# Altium PCB sombreakout.PcbDoc (part 1 of 3) (continued)
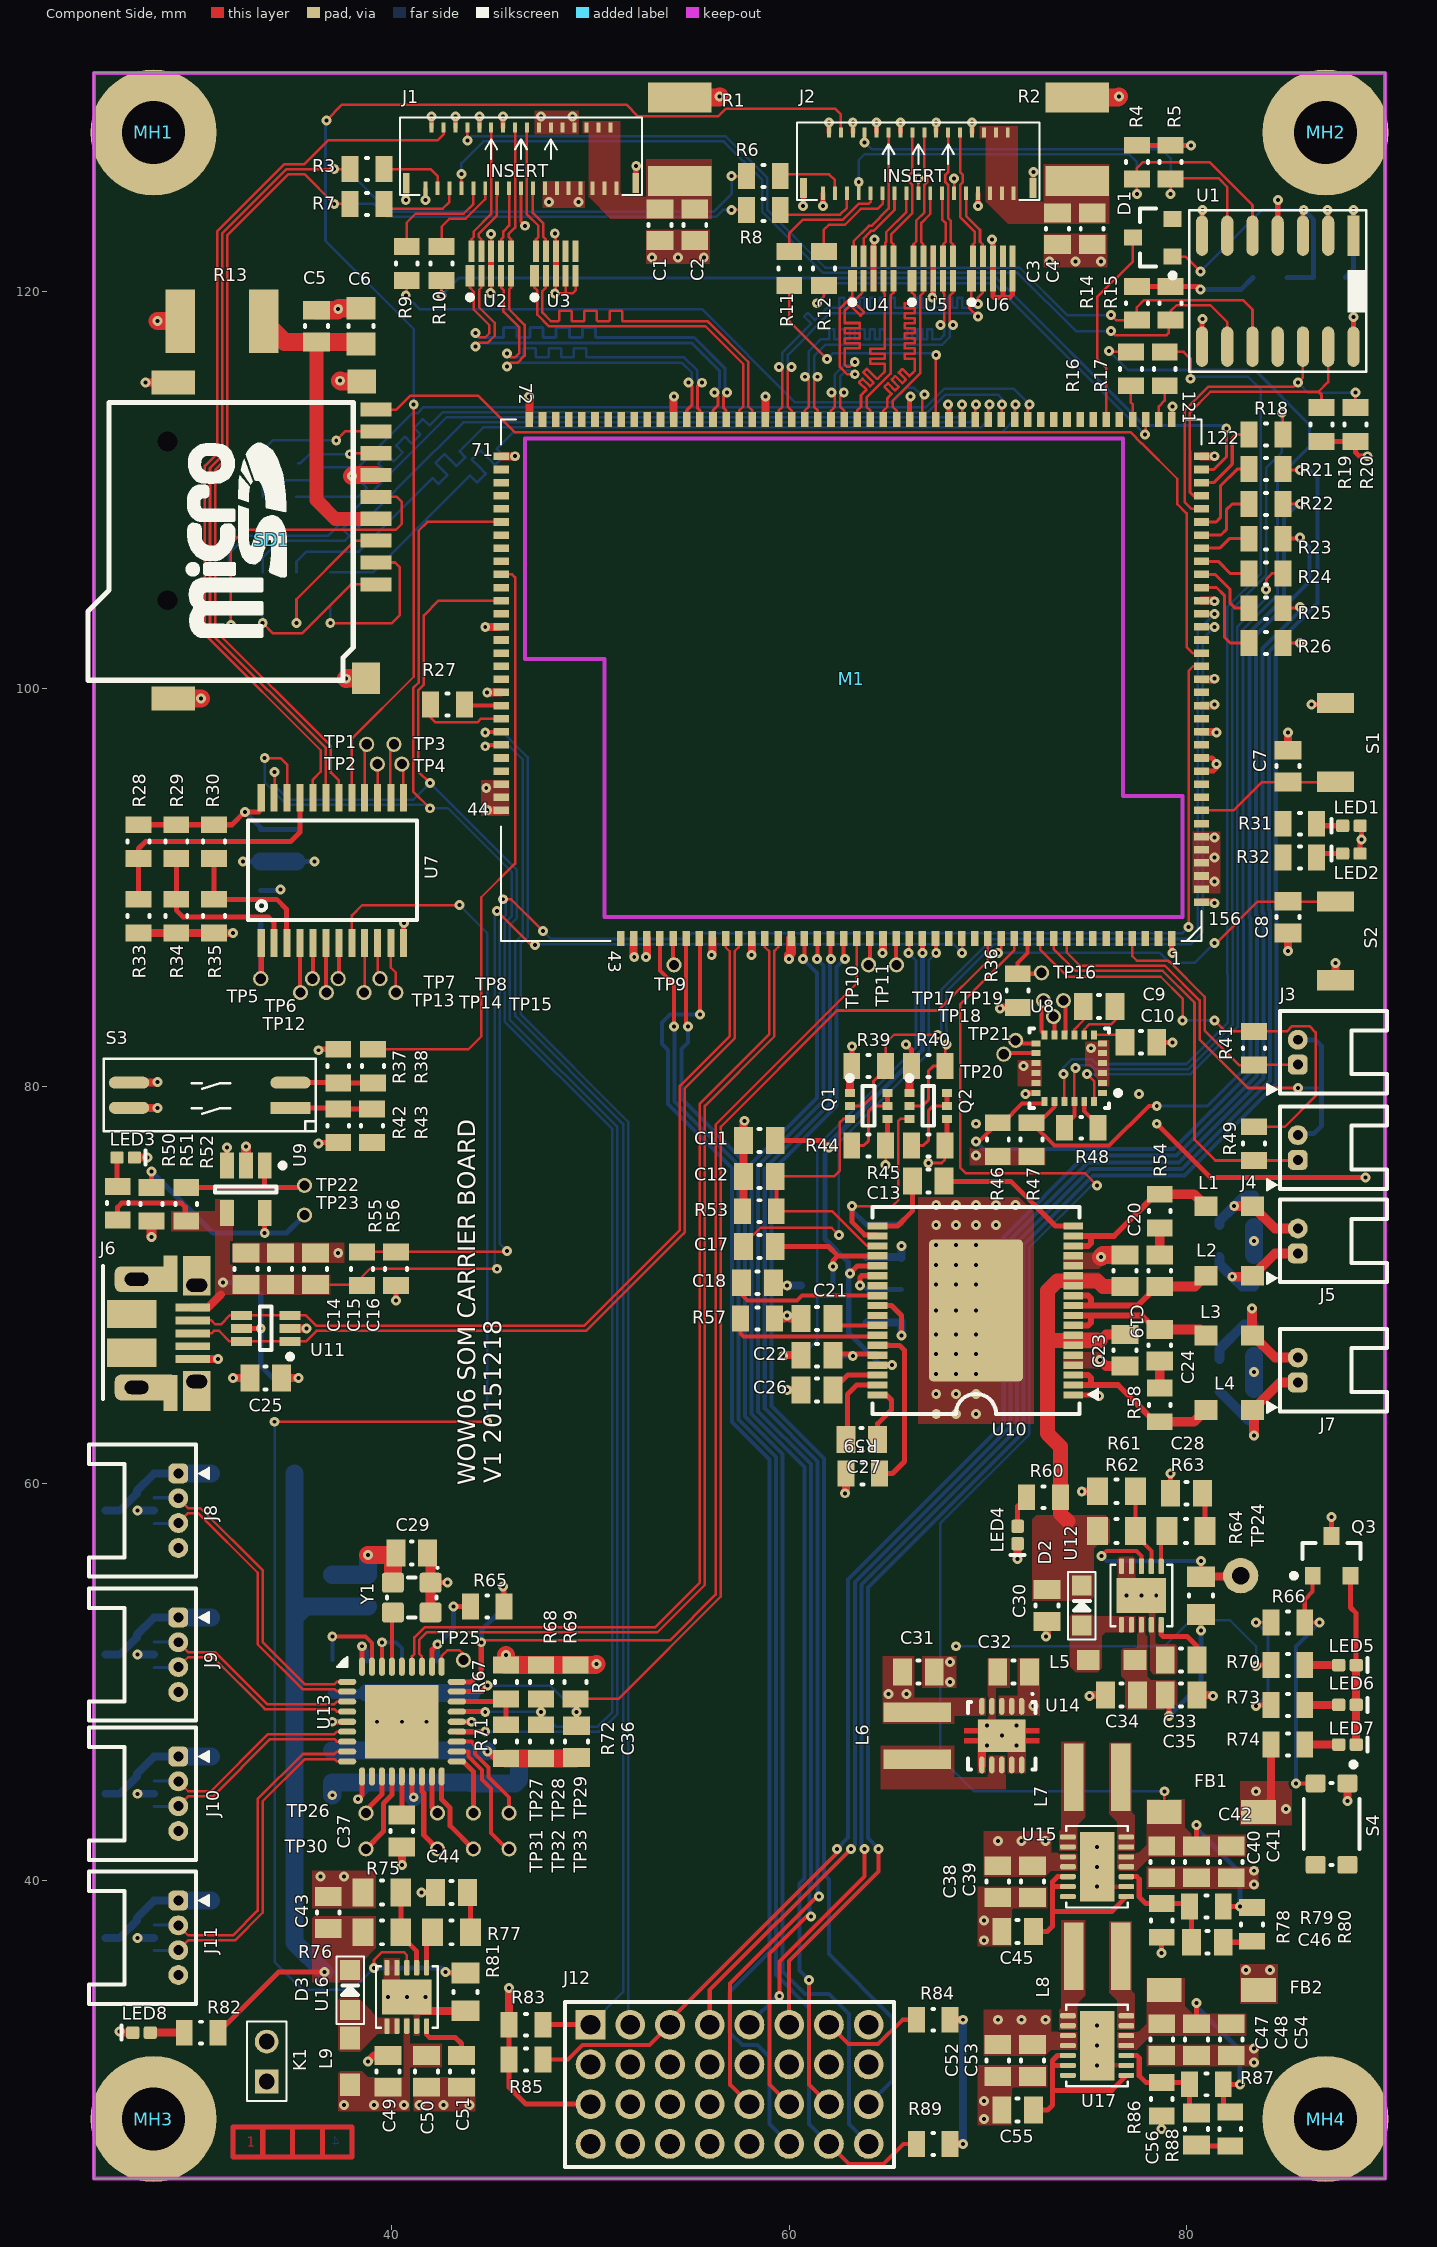
[diagram p0: Component Side view]
## Components (designator, comment, footprint, x,y, rotation, side; value= is the part's Value field where it differs from the comment)
C1 "CAP 10uF 6.3V 0805(2012)" CAPC0805(2012)100_L 53.5,123.35 r90 top (schematic designator C64)
C2 "CAP 10uF 6.3V 0805(2012)" CAPC0805(2012)100_L 55.25,123.35 r90 top (schematic designator C63)
C3 "CAP 10uF 6.3V 0805(2012)" CAPC0805(2012)100_L 73.5,123.15 r90 top (schematic designator C60)
C4 "CAP 10uF 6.3V 0805(2012)" CAPC0805(2012)100_L 75.25,123.15 r90 top (schematic designator C59)
C5 "CAP 1uF 6.3V 0805(2012)" CAPC0805(2012)100_L 36.2,118.25 r90 top (schematic designator C2)
C6 "CAP 100nF 6.3V 0805(2012)" CAPC0805(2012)100_N 38.45,118.25 r90 top (schematic designator C1)
C7 "CAP 10uF 6.3V 0805(2012)" CAPC0805(2012)100_L 85.1,96.1 r270 top (schematic designator C27)
C8 "CAP 10uF 6.3V 0805(2012)" CAPC0805(2012)100_L 85.1,88.5 r90 top (schematic designator C26)
C9 "" CAPC0805(2012)100_L 75.6,84 r0 top (schematic designator C53)
C10 "CAP 4.7uF 6.3V 0805(2012)" CAPC0805(2012)100_L 77.7,82.2 r180 top (schematic designator C54)
C11 "" CAPC0805(2012)100_L 58.5,77.25 r0 top (schematic designator C99)
C12 "CAP 22uF 16V 0805(2012)" CAPC0805(2012)145_L 58.5,75.45 r0 top (schematic designator C115)
C13 "CAP 100nF 25V 0805(2012)" CAPC0805(2012)100_L 67,75.225 r180 top (schematic designator C105)
C14 "CAP 100nF 6.3V 0805(2012)" CAPC0805(2012)100_L 32.65,70.8 r90 top (schematic designator C79)
C15 "CAP 10uF 6.3V 0805(2012)" CAPC0805(2012)100_L 34.4,70.8 r270 top (schematic designator C5)
C16 "CAP 100nF 6.3V 0805(2012)" CAPC0805(2012)100_L 36.15,70.8 r90 top (schematic designator C6)
C17 "" CAPC0805(2012)100_L 58.5,71.925 r180 top (schematic designator C94)
C18 "CAP 100nF 25V 0805(2012)" CAPC0805(2012)100_L 58.4,70.1 r0 top (schematic designator C106)
C19 "CAP 100nF 25V 0805(2012)" CAPC0805(2012)100_L 76.9,70.7 r270 top (schematic designator C109)
C20 "" CAPC0805(2012)100_L 78.65,70.7 r90 top (schematic designator C103)
C21 "CAP 22uF 16V 0805(2012)" CAPC0805(2012)145_L 61.4,68.3 r0 top (schematic designator C114)
C22 "" CAPC0805(2012)100_L 61.4,66.45 r0 top (schematic designator C101)
C23 "CAP 100nF 25V 0805(2012)" CAPC0805(2012)100_L 76.9,66.7 r90 top (schematic designator C97)
C24 "" CAPC0805(2012)100_L 78.65,66.95 r270 top (schematic designator C111)
C25 "CAP 10uF 6.3V 0805(2012)" CAPC0805(2012)100_L 33.65,65.3 r180 top (schematic designator C80)
C26 "CAP 22uF 16V 0805(2012)" CAPC0805(2012)145_L 61.4,64.7 r0 top (schematic designator C113)
C27 "CAP 100nF 25V 0805(2012)" CAPC0805(2012)100_L 63.65,62.2 r180 top (schematic designator C108)
C28 "" CAPC0805(2012)100_L 80,59.5 r0 top (schematic designator C35)
C29 "CAP 100nF 6.3V 0805(2012)" CAPC0805(2012)100_L 41,56.5 r180 top (schematic designator C90)
C30 "CAP 22uF 16V 0805(2012)" CAPC0805(2012)145_L 72.975,53.85 r90 top (schematic designator C31)
C31 "CAP 22uF 4V 0805(2012)" CAPC0805(2012)100_L 66.5,50.5 r180 top (schematic designator C12)
C32 "CAP 22uF 4V 0805(2012)" CAPC0805(2012)100_L 71.3,50.5 r0 top (schematic designator C13)
C33 "CAP 100nF 6.3V 0805(2012)" CAPC0805(2012)100_L 79.725,51.1 r0 top (schematic designator C34)
C34 "" CAPC0805(2012)100_L 76.725,49.35 r180 top (schematic designator C30)
C35 "CAP 10uF 6.3V 0805(2012)" CAPC0805(2012)100_L 79.725,49.35 r180 top (schematic designator C29)
C36 "CAP 100nF 6.3V 0805(2012)" CAPC0805(2012)100_L 49.3,47 r90 top (schematic designator C91)
C37 "CAP 100nF 6.3V 0805(2012)" CAPC0805(2012)100_L 40.5,42.5 r90 top (schematic designator C92)
C38 "CAP 10uF 6.3V 0805(2012)" CAPC0805(2012)100_L 70.5,39.95 r90 top (schematic designator C3)
C39 "CAP 10uF 6.3V 0805(2012)" CAPC0805(2012)100_L 72.25,39.95 r90 top (schematic designator C4)
C40 "CAP 100nF 25V 0805(2012)" CAPC0805(2012)100_L 78.75,40.95 r90 top (schematic designator C9)
C41 "CAP 22uF 16V 0805(2012)" CAPC0805(2012)145_L 80.5,40.95 r90 top (schematic designator C8)
C42 "CAP 22uF 16V 0805(2012)" CAPC0805(2012)145_L 82.25,40.95 r90 top (schematic designator C7)
C43 "CAP 22uF 16V 0805(2012)" CAPC0805(2012)145_L 36.8,38.4 r270 top (schematic designator C23)
C44 "" CAPC0805(2012)100_L 43,39.4 r0 top (schematic designator C25)
C45 "CAP 100nF 6.3V 0805(2012)" CAPC0805(2012)100_L 71.5,37.45 r180 top (schematic designator C11)
C46 "CAP 4.7pF 10V 0805(2012)" CAPC0805(2012)100_L 81.05,36.9 r0 top (schematic designator C10)
C47 "CAP 100nF 25V 0805(2012)" CAPC0805(2012)100_L 78.75,32 r90 top (schematic designator C18)
C48 "CAP 22uF 16V 0805(2012)" CAPC0805(2012)145_L 80.5,32 r90 top (schematic designator C17)
C49 "" CAPC0805(2012)100_L 39.8,30.4 r90 top (schematic designator C22)
C50 "CAP 10uF 6.3V 0805(2012)" CAPC0805(2012)100_L 41.75,30.4 r90 top (schematic designator C21)
C51 "CAP 100nF 6.3V 0805(2012)" CAPC0805(2012)100_L 43.5,30.4 r90 top (schematic designator C24)
C52 "CAP 10uF 6.3V 0805(2012)" CAPC0805(2012)100_L 70.5,30.95 r90 top (schematic designator C14)
C53 "CAP 10uF 6.3V 0805(2012)" CAPC0805(2012)100_L 72.25,30.95 r90 top (schematic designator C15)
C54 "CAP 22uF 16V 0805(2012)" CAPC0805(2012)145_L 82.25,32 r90 top (schematic designator C16)
C55 "CAP 100nF 6.3V 0805(2012)" CAPC0805(2012)100_L 71.5,28.45 r180 top (schematic designator C20)
C56 "CAP 4.7pF 10V 0805(2012)" CAPC0805(2012)100_L 80.5,27.5 r270 top (schematic designator C19)
C57 "CAP 100nF 6.3V 0805(2012)" CAPC0805(2012)100_L 87.2,120.7 r0 bottom (schematic designator C28)
C58 "CAP 100nF 6.3V 0805(2012)" CAPC0805(2012)100_L 35.2,92.1 r270 bottom (schematic designator C61)
C59 "CAP 1uF 6.3V 0805(2012)" CAPC0805(2012)100_L 33.4,92.1 r270 bottom (schematic designator C62)
C60 "CAP 1uF 6.3V 0805(2012)" CAPC0805(2012)100_L 76.6,78.9 r90 bottom (schematic designator C56)
C61 "CAP 100nF 6.3V 0805(2012)" CAPC0805(2012)100_L 74.85,78.9 r90 bottom (schematic designator C55)
C62 "CAP 100nF 6.3V 0805(2012)" CAPC0805(2012)100_L 73.1,78.9 r270 bottom (schematic designator C57)
C63 "CAP 1uF 6.3V 0805(2012)" CAPC0805(2012)100_L 71.35,78.9 r270 bottom (schematic designator C58)
C64 "CAP 100nF 25V 0805(2012)" CAPC0805(2012)100_L 83.4,73.7 r90 bottom (schematic designator C96)
C65 "CAP 100nF 25V 0805(2012)" CAPC0805(2012)100_L 81.65,72.2 r90 bottom (schematic designator C98)
C66 "CAP 22uF 16V 0805(2012)" CAPC0805(2012)145_L 63.9,72.2 r90 bottom (schematic designator C116)
C67 "CAP 100nF 25V 0805(2012)" CAPC0805(2012)100_L 83.4,70.7 r90 bottom (schematic designator C104)
C68 "CAP 100nF 25V 0805(2012)" CAPC0805(2012)100_L 65.65,68.95 r90 bottom (schematic designator C102)
C69 "" CAPC0805(2012)100_L 61.4,69.95 r0 bottom (schematic designator C100)
C70 "CAP 100nF 25V 0805(2012)" CAPC0805(2012)100_L 83.4,67.2 r270 bottom (schematic designator C112)
C71 "CAP 100nF 25V 0805(2012)" CAPC0805(2012)100_L 81.65,65.45 r270 bottom (schematic designator C110)
C72 "" CAPC0805(2012)100_L 61.4,66.4 r180 bottom (schematic designator C95)
C73 "CAP 100nF 25V 0805(2012)" CAPC0805(2012)100_L 83.4,63.95 r270 bottom (schematic designator C107)
C74 "CAP 100nF 6.3V 0805(2012)" CAPC0805(2012)100_L 38.8,54.6 r90 bottom (schematic designator C89)
C75 "CAP 10uF 6.3V 0805(2012)" CAPC0805(2012)100_L 37,54.6 r270 bottom (schematic designator C81)
C76 "CAP 100nF 6.3V 0805(2012)" CAPC0805(2012)100_L 42.25,50.25 r90 bottom (schematic designator C87)
C77 "CAP 100nF 6.3V 0805(2012)" CAPC0805(2012)100_L 40.5,50.25 r90 bottom (schematic designator C93)
C78 "CAP 100nF 6.3V 0805(2012)" CAPC0805(2012)100_L 38.75,50.25 r90 bottom (schematic designator C86)
C79 "CAP 100nF 6.3V 0805(2012)" CAPC0805(2012)100_L 44,45.75 r270 bottom (schematic designator C85)
C80 "CAP 100nF 6.3V 0805(2012)" CAPC0805(2012)100_L 42.25,45.75 r270 bottom (schematic designator C88)
C81 "CAP 10uF 6.3V 0805(2012)" CAPC0805(2012)100_L 40.5,45.75 r270 bottom (schematic designator C82)
C82 "CAP 100nF 6.3V 0805(2012)" CAPC0805(2012)100_L 38.75,45.75 r270 bottom (schematic designator C83)
C83 "CAP 100nF 6.3V 0805(2012)" CAPC0805(2012)100_L 37,45.75 r270 bottom (schematic designator C84)
D1 "MMBD914LT1G" ONSC-SOT-23-3-318-08_V 78.3,122.7 r180 top (schematic designator D3)
D2 "BAT20" SOD323 74.725,52.85 r270 top
D3 "BAT20" SOD323 37.9,33.5 r270 top (schematic designator D1)
FB1 "BLM41PG750SN1L" MURA-BLM41-B35-CHIP-2_V2 81.25,43.45 r0 top
FB2 "BLM41PG750SN1L" MURA-BLM41-B35-CHIP-2_V2 81.25,34.5 r0 top
FB3 "BLM41PG750SN1L" MURA-BLM41-B35-CHIP-2_V2 46.4,48.5 r270 bottom
J1 "5025983393" J_MOLEX_50259833 46.5,128.15 r0 top (schematic designator J2)
J2 "5025983393" J_MOLEX_50259833 66.5,127.9 r0 top (schematic designator J1)
J3 "DF13-2P-1.25DS(20)" HRS_DF13-2P-1.25DS(20) 87.4,81.7 r90 top (schematic designator J11)
J4 "DF13-2P-1.25DS(20)" HRS_DF13-2P-1.25DS(20) 87.4,76.9 r90 top (schematic designator J10)
J5 "DF13-2P-1.25DS(20)" HRS_DF13-2P-1.25DS(20) 87.4,72.2 r90 top (schematic designator J8)
J6 "MICRO-USB" USB_MICRO_B_SMT 27.15,67.55 r270 top (schematic designator J4)
J7 "DF13-2P-1.25DS(20)" HRS_DF13-2P-1.25DS(20) 87.4,65.7 r90 top (schematic designator J9)
J8 "DF13-4P-1.25DS(20)" HRS_DF13-4P-1.25DS(20) 29.25,60.5 r270 top (schematic designator J3)
J9 "DF13-4P-1.25DS(20)" HRS_DF13-4P-1.25DS(20) 29.25,53.25 r270 top (schematic designator J5)
J10 "DF13-4P-1.25DS(20)" HRS_DF13-4P-1.25DS(20) 29.25,46.25 r270 top (schematic designator J6)
J11 "DF13-4P-1.25DS(20)" HRS_DF13-4P-1.25DS(20) 29.25,39 r270 top (schematic designator J7)
J12 "SQT-108-01-L-Q" SMTC-SQT-108-01-X-Q 50,32.75 r0 top
K1 "JMPR2-2MM" JMPR2-2MM 33.7,29.9 r0 top
L1 "1uH" "SMD 0805_A" 82.15,73.95 r0 top (schematic designator L6)
L2 "1uH" "SMD 0805_A" 82.15,70.45 r0 top (schematic designator L7)
L3 "1uH" "SMD 0805_A" 82.15,67.45 r0 top (schematic designator L9)
L4 "1uH" "SMD 0805_A" 82.15,63.7 r0 top (schematic designator L8)
L5 "3.3uH" "SMD 0805_A" 76.225,51.1 r180 top
L6 "SHIELDED_INDUCTOR" COILCRAFT_XFL4020 66.45,47.3 r180 top (schematic designator L1)
L7 "XFL4020-TBD" COILCRAFT_XFL4020 75.5,45.2 r90 top (schematic designator L2)
L8 "XFL4020-TBD" COILCRAFT_XFL4020 75.5,36.2 r90 top (schematic designator L4)
L9 "3.3uH" "SMD 0805_A" 37.9,30.9 r90 top (schematic designator L3)
LED1 "VLMG1500-GS08" LEDC0402(1005)_N-GRN 88.3,93.1 r180 top
LED2 "VLMS1500-GS08" LEDC0402(1005)_N-RED 88.3,91.7 r180 top
LED3 "VLMG1500-GS08" LEDC0402(1005)_N-GRN 26.6,76.4 r0 top
LED4 "VLMG1500-GS08" LEDC0402(1005)_N-GRN 71.5,57.4 r270 top (schematic designator LED8)
LED5 "VLMG1500-GS08" LEDC0402(1005)_N-GRN 88.1,50.85 r0 top (schematic designator LED6)
LED6 "VLMG1500-GS08" LEDC0402(1005)_N-GRN 88.1,48.85 r0 top (schematic designator LED5)
LED7 "VLMG1500-GS08" LEDC0402(1005)_N-GRN 88.1,46.85 r0 top (schematic designator LED4)
LED8 "VLMG1500-GS08" LEDC0402(1005)_N-GRN 27.4,32.35 r180 top (schematic designator LED7)
M1 "Q410_SOM" Q410 63.25,100.55 r180 top
MH1 "MOUNTING_HOLE125" HOLE_MTG_125 28,128 r0 top locked
MH2 "MOUNTING_HOLE125" HOLE_MTG_125 87,128 r0 top locked
MH3 "MOUNTING_HOLE125" HOLE_MTG_125 28,28 r0 top locked
MH4 "MOUNTING_HOLE125" HOLE_MTG_125 87,28 r0 top locked
Q1 "NTJD4158CT2G" ONSC-SC70-6-419B-02_W_V 64,79 r0 top (schematic designator Q2)
Q2 "NTJD4158CT2G" ONSC-SC70-6-419B-02_W_V 67,79 r0 top (schematic designator Q3)
Q3 "BSS84LT1G" ONSC-SOT-23-3-318-08_V 87.3,56.35 r90 top (schematic designator Q1)
R1 "MF-MSMF050" BOUR-MF-MSMF050-2_V 54.5,127.65 r90 top (schematic designator R69)
R2 "MF-MSMF050" BOUR-MF-MSMF050-2_V 74.5,127.65 r90 top (schematic designator R54)
R3 "33R 1% 0805(2012)" RESC0805(2012)_L 38.75,126.15 r0 top (schematic designator R58)
R4 "4K7 1% 0805(2012)" RESC0805(2012)_L 77.5,126.5 r90 top (schematic designator R61)
R5 "4K7 1% 0805(2012)" RESC0805(2012)_L 79.2,126.5 r90 top (schematic designator R59)
R6 "33R 1% 0805(2012)" RESC0805(2012)_L 58.7,125.8 r0 top (schematic designator R46)
R7 "33R 1% 0805(2012)" RESC0805(2012)_L 38.75,124.4 r0 top (schematic designator R60)
R8 "33R 1% 0805(2012)" RESC0805(2012)_L 58.7,124.1 r0 top (schematic designator R48)
R9 "33R 1% 0805(2012)" RESC0805(2012)_L 40.75,121.4 r90 top (schematic designator R66)
R10 "33R 1% 0805(2012)" RESC0805(2012)_L 42.5,121.4 r90 top (schematic designator R68)
R11 "33R 1% 0805(2012)" RESC0805(2012)_L 60,121.15 r90 top (schematic designator R51)
R12 "33R 1% 0805(2012)" RESC0805(2012)_L 61.75,121.15 r90 top (schematic designator R53)
R13 "MF-MSMF050" BOUR-MF-MSMF050-2_V 31.45,118.5 r180 top (schematic designator R1)
R14 "4K7 1% 0805(2012)" RESC0805(2012)_L 77.5,119.4 r270 top (schematic designator R80)
R15 "4K7 1% 0805(2012)" RESC0805(2012)_L 79.2,119.4 r270 top (schematic designator R65)
R16 "" RESC0805(2012)_L 77.2,116.1 r90 top (schematic designator R15)
R17 "" RESC0805(2012)_L 78.9,116.1 r90 top (schematic designator R14)
R18 "" RESC0805(2012)_L 84,112.8 r0 top (schematic designator R11)
R19 "4K7 1% 0805(2012)" RESC0805(2012)_L 86.8,113.3 r270 top (schematic designator R49)
R20 "4K7 1% 0805(2012)" RESC0805(2012)_L 88.5,113.3 r270 top (schematic designator R50)
R21 "" RESC0805(2012)_L 84,111.05 r0 top (schematic designator R10)
R22 "" RESC0805(2012)_L 84,109.3 r0 top (schematic designator R9)
R23 "" RESC0805(2012)_L 84,107.55 r0 top (schematic designator R8)
R24 "" RESC0805(2012)_L 84,105.8 r0 top (schematic designator R7)
R25 "" RESC0805(2012)_L 84,104.05 r0 top (schematic designator R6)
R26 "" RESC0805(2012)_L 84,102.3 r0 top (schematic designator R5)
R27 "" RESC0805(2012)_L 42.8,99.2 r0 top (schematic designator R4)
R28 "100k" RESC0805(2012)_L 27.25,92.3 r90 top (schematic designator R55)
R29 "100k" RESC0805(2012)_L 29.15,92.3 r90 top (schematic designator R56)
R30 "100k" RESC0805(2012)_L 31.05,92.3 r90 top (schematic designator R57)
R31 "" RESC0805(2012)_L 85.7,93.2 r180 top (schematic designator R2)
R32 "" RESC0805(2012)_L 85.7,91.5 r180 top (schematic designator R3)
R33 "100k" RESC0805(2012)_L 27.25,88.55 r90 top (schematic designator R62)
R34 "100k" RESC0805(2012)_L 29.15,88.55 r90 top (schematic designator R63)
R35 "100k" RESC0805(2012)_L 31.05,88.55 r90 top (schematic designator R64)
R36 "10K 1% 0805(2012)" RESC0805(2012)_L 71.5,84.8 r90 top (schematic designator R18)
R37 "10K 1% 0805(2012)" RESC0805(2012)_L 37.3,81 r270 top (schematic designator R13)
R38 "" RESC0805(2012)_L 39.05,81 r90 top (schematic designator R17)
R39 "10K 1% 0805(2012)" RESC0805(2012)_L 64,81 r180 top (schematic designator R82)
R40 "10K 1% 0805(2012)" RESC0805(2012)_L 67,81 r180 top (schematic designator R84)
R41 "" RESC0805(2012)_L 83.4,81.9 r270 top (schematic designator R208)
R42 "10K 1% 0805(2012)" RESC0805(2012)_L 37.3,78 r90 top (schematic designator R12)
R43 "" RESC0805(2012)_L 39,78 r270 top (schematic designator R16)
R44 "10K 1% 0805(2012)" RESC0805(2012)_L 64,77 r0 top (schematic designator R81)
R45 "10K 1% 0805(2012)" RESC0805(2012)_L 67,77 r0 top (schematic designator R83)
R46 "10K 1% 0805(2012)" RESC0805(2012)_L 70.5,77.3 r90 top (schematic designator R77)
R47 "10K 1% 0805(2012)" RESC0805(2012)_L 72.2,77.3 r90 top (schematic designator R76)
R48 "33R 1% 0805(2012)" RESC0805(2012)_L 74.7,77.9 r0 top (schematic designator R52)
R49 "" RESC0805(2012)_L 83.4,77.1 r270 top (schematic designator R209)
R50 "" RESC0805(2012)_L 26.2,74.1 r90 top (schematic designator R31)
R51 "10K 1% 0805(2012)" RESC0805(2012)_L 27.9,74.05 r90 top (schematic designator R23)
R52 "10K 1% 0805(2012)" RESC0805(2012)_L 29.65,74.05 r90 top (schematic designator R19)
R53 "10K 1% 0805(2012)" RESC0805(2012)_L 58.5,73.7 r0 top (schematic designator R212)
R54 "" RESC0805(2012)_L 78.65,73.7 r90 top (schematic designator R204)
R55 "100k" RESC0805(2012)_L 38.5,70.8 r90 top (schematic designator R78)
R56 "47K 1% 0805(2012)" RESC0805(2012)_L 40.2,70.8 r90 top (schematic designator R79)
R57 "10K 1% 0805(2012)" RESC0805(2012)_L 58.4,68.3 r0 top (schematic designator R210)
R58 "" RESC0805(2012)_L 78.65,63.95 r270 top (schematic designator R206)
R59 "10K 1% 0805(2012)" RESC0805(2012)_L 63.7,60.5 r180 top (schematic designator R211)
R60 "" RESC0805(2012)_L 72.8,59.3 r180 top (schematic designator R36)
R61 "20K 1% 0805(2012)" RESC0805(2012)_N 76.475,59.6 r180 top (schematic designator R44)
R62 "20K 1% 0805(2012)" RESC0805(2012)_N 76.475,57.6 r0 top (schematic designator R39)
R63 "68k" RESC0805(2012)_N 79.975,57.6 r180 top (schematic designator R43)
R64 "20K 1% 0805(2012)" RESC0805(2012)_N 80.725,54.35 r270 top (schematic designator R37)
R65 "33R 1% 0805(2012)" RESC0805(2012)_L 44.8,53.8 r0 top (schematic designator R194)
R66 "10K 1% 0805(2012)" RESC0805(2012)_L 85.1,53 r0 top (schematic designator R40)
R67 "100k" RESC0805(2012)_L 45.75,50 r90 top (schematic designator R197)
R68 "100k" RESC0805(2012)_L 47.5,50 r90 top (schematic designator R196)
R69 "100k" RESC0805(2012)_L 49.25,50 r90 top (schematic designator R195)
R70 "" RESC0805(2012)_L 85.1,50.85 r0 top (schematic designator R34)
R71 "100k" RESC0805(2012)_L 45.75,47 r90 top (schematic designator R201)
R72 "100k" RESC0805(2012)_L 47.5,47 r90 top (schematic designator R200)
R73 "" RESC0805(2012)_L 85.1,48.85 r0 top (schematic designator R33)
R74 "" RESC0805(2012)_L 85.1,46.85 r0 top (schematic designator R32)
R75 "20K 1% 0805(2012)" RESC0805(2012)_N 39.5,39.4 r180 top (schematic designator R30)
R76 "20K 1% 0805(2012)" RESC0805(2012)_N 39.5,37.4 r0 top (schematic designator R28)
R77 "68k" RESC0805(2012)_N 43,37.4 r180 top (schematic designator R29)
R78 "16K2 1% 0805(2012)" RESC0805(2012)_L 78.75,38 r90 top (schematic designator R22)
R79 "" RESC0805(2012)_L 81,38.7 r0 top (schematic designator R20)
R80 "68K 5% 0805(2012)" RESC0805(2012)_L 83.3,37.8 r90 top (schematic designator R21)
R81 "20K 1% 0805(2012)" RESC0805(2012)_N 43.7,34.4 r270 top (schematic designator R27)
R82 "" RESC0805(2012)_L 30.4,32.35 r180 top (schematic designator R35)
R83 "10K 1% 0805(2012)" RESC0805(2012)_L 46.75,32.75 r180 top (schematic designator R38)
R84 "10K 1% 0805(2012)" RESC0805(2012)_L 67.25,33 r0 top (schematic designator R42)
R85 "10K 1% 0805(2012)" RESC0805(2012)_L 46.75,31 r180 top (schematic designator R41)
R86 "16K2 1% 0805(2012)" RESC0805(2012)_L 78.75,29 r90 top (schematic designator R26)
R87 "" RESC0805(2012)_L 81,29.75 r0 top (schematic designator R24)
R88 "68K 5% 0805(2012)" RESC0805(2012)_L 82.2,27.5 r90 top (schematic designator R25)
R89 "10K 1% 0805(2012)" RESC0805(2012)_L 67.25,26.75 r0 top (schematic designator R45)
R90 "100k" RESC0805(2012)_L 84.2,120.7 r180 bottom (schematic designator R47)
R91 "" RESC0805(2012)_L 35.2,110.5 r270 bottom (schematic designator R74)
R92 "" RESC0805(2012)_L 33.5,110.5 r270 bottom (schematic designator R75)
R93 "" RESC0805(2012)_L 36.9,105 r90 bottom (schematic designator R71)
R94 "" RESC0805(2012)_L 35.2,105 r90 bottom (schematic designator R72)
R95 "" RESC0805(2012)_L 33.5,105 r90 bottom (schematic designator R70)
R96 "" RESC0805(2012)_L 31.8,105 r90 bottom (schematic designator R73)
R97 "10k" RESC0805(2012)_L 33.4,89 r270 bottom (schematic designator R67)
R98 "10K 1% 0805(2012)" RESC0805(2012)_L 65.75,72.25 r90 bottom (schematic designator R207)
R99 "" RESC0805(2012)_L 63.9,68.95 r90 bottom (schematic designator R205)
R100 "MF-MSMF050" BOUR-MF-MSMF050-2_V 33,60.5 r180 bottom (schematic designator R193)
R101 "MF-MSMF050" BOUR-MF-MSMF050-2_V 33,53.25 r180 bottom (schematic designator R198)
R102 "12k" RESC0805(2012)_L 37,50.25 r90 bottom (schematic designator R203)
R103 "MF-MSMF050" BOUR-MF-MSMF050-2_V 33,46.25 r180 bottom (schematic designator R199)
R104 "MF-MSMF050" BOUR-MF-MSMF050-2_V 33,39 r180 bottom (schematic designator R202)
S1 "ButtonTACT_3x4x2_180" ButtonTACT_3x4x2_180 87.5,97.3 r90 top (schematic designator S2)
S2 "ButtonTACT_3x4x2_180" ButtonTACT_3x4x2_180 87.5,87.3 r270 top (schematic designator S1)
S3 "SW-DIP4-SMD" SO4SW 34.9,78.9 r180 top
S4 "KMR211GLFS" KMR2 87.3,42.85 r270 top
SD1 "SD_Card_TF" SD_Card_TF 39.2,105.25 r90 top
TP1 "Various test points" VIAHOLE20 38.733,97.2 r90 top (schematic designator TP28)
TP2 "Various test points" VIAHOLE20 39.267,96.2 r90 top (schematic designator TP27)
TP3 "Various test points" VIAHOLE20 40.1,97.2 r90 top (schematic designator TP26)
TP4 "Various test points" VIAHOLE20 40.5,96.2 r90 top (schematic designator TP24)
TP5 "Various test points" VIAHOLE20 33.4,85.4 r0 top (schematic designator TP25)
TP6 "Various test points" VIAHOLE20 36,85.4 r0 top (schematic designator TP30)
TP7 "Various test points" VIAHOLE20 37.3,85.4 r0 top (schematic designator TP32)
TP8 "Various test points" VIAHOLE20 39.4,85.4 r0 top (schematic designator TP22)
TP9 "Various test points" VIAHOLE20 54.2,86.1 r0 top
TP10 "Various test points" VIAHOLE20 64,86.1 r0 top (schematic designator TP8)
TP11 "Various test points" VIAHOLE20 65.4,86.1 r0 top (schematic designator TP7)
TP12 "Various test points" VIAHOLE20 35.4,84.7 r0 top (schematic designator TP29)
TP13 "Various test points" VIAHOLE20 36.7,84.7 r0 top (schematic designator TP31)
TP14 "Various test points" VIAHOLE20 38.6,84.7 r0 top (schematic designator TP21)
TP15 "Various test points" VIAHOLE20 40.2,84.7 r0 top (schematic designator TP23)
TP16 "Various test points" VIAHOLE20 72.7,85.7 r0 top (schematic designator TP6)
TP17 "Various test points" VIAHOLE20 72.8,84.3 r270 top (schematic designator TP19)
TP18 "Various test points" VIAHOLE20 73.3,83.5 r270 top
TP19 "Various test points" VIAHOLE20 73.8,84.3 r270 top (schematic designator TP17)
TP20 "Various test points" VIAHOLE20 70.8,81.6 r270 top (schematic designator TP16)
TP21 "Various test points" VIAHOLE20 71.4,82.3 r270 top (schematic designator TP15)
TP22 "Various test points" VIAHOLE20 35.6,75 r90 top (schematic designator TP42)
TP23 "Various test points" VIAHOLE20 35.6,73.5 r90 top (schematic designator TP43)
TP24 "Various test points" TESTPOINT_035HOLE 82.725,55.35 r180 top (schematic designator TP14)
TP25 "Various test points" VIAHOLE20 43.6,51.1 r90 top (schematic designator TP37)
TP26 "Various test points" VIAHOLE20 38.7,43.4 r0 top (schematic designator TP33)
TP27 "Various test points" VIAHOLE20 42.3,43.4 r90 top (schematic designator TP39)
TP28 "Various test points" VIAHOLE20 44.1,43.4 r90 top (schematic designator TP40)
TP29 "Various test points" VIAHOLE20 45.9,43.4 r90 top (schematic designator TP41)
TP30 "Various test points" VIAHOLE20 38.7,41.6 r0 top (schematic designator TP38)
TP31 "Various test points" VIAHOLE20 42.3,41.6 r90 top (schematic designator TP34)
TP32 "Various test points" VIAHOLE20 44.1,41.6 r90 top (schematic designator TP35)
TP33 "Various test points" VIAHOLE20 45.9,41.6 r90 top (schematic designator TP36)
U1 "TCA9543A" SO14 88.4,122.8 r270 top (schematic designator U16)
U2 "EMI4182MTTAG" ONSC-WDFN-10-511BM-01_V 45,121.4 r90 top (schematic designator U13)
U3 "EMI4182MTTAG" ONSC-WDFN-10-511BM-01_V 48.25,121.4 r90 top (schematic designator U14)
U4 "EMI4182MTTAG" ONSC-WDFN-10-511BM-01_V 64.25,121.15 r90 top (schematic designator U9)
U5 "EMI4182MTTAG" ONSC-WDFN-10-511BM-01_V 67.25,121.15 r90 top (schematic designator U10)
U6 "EMI4182MTTAG" ONSC-WDFN-10-511BM-01_V 70.25,121.15 r90 top (schematic designator U12)
U7 "PCA9555A" SSOP24 37,90.85 r0 top (schematic designator U11)
U8 "LSM9DS0TR" STM-LGA-24_V 74.1,80.9 r180 top locked
U9 "MCP73811T-420I/OT" SOT-23-OT5_M 32.65,74.8 r270 top (schematic designator U2)
U10 "TDA7491LP" POWERSSO-36 69.4,68.7 r180 top (schematic designator U22)
U11 "TPD4E001DCKR" DCK0006A_M 33.65,67.8 r180 top (schematic designator U18)
U12 "TPS61086" SON50P300X300X100-11T175X250N 77.725,54.35 r180 top (schematic designator U6)
U13 "USB2514AEZG" QFN36 40.5,48 r0 top (schematic designator U19)
U14 "TPS62044DRCRG4" DRC10-2400X1650TP 70.7,47.3 r270 top (schematic designator U3)
U15 "TPS63020" VSON14 75.5,40.7 r90 top (schematic designator U1)
U16 "TPS61086" SON50P300X300X100-11T175X250N 40.75,34.15 r180 top (schematic designator U5)
U17 "TPS63020" VSON14 75.5,31.7 r90 top (schematic designator U4)
U18 "TPD4E001DCKR" DCK0006A_M 26.8,58.625 r180 bottom (schematic designator U7)
U19 "TPD4E001DCKR" DCK0006A_M 26.8,51.375 r180 bottom (schematic designator U20)
U20 "TPD4E001DCKR" DCK0006A_M 26.8,44.375 r180 bottom (schematic designator U15)
U21 "TPD4E001DCKR" DCK0006A_M 26.8,37.125 r180 bottom
Y1 "8MHz" OSC_DFN165P250X90-4N 41,54.25 r180 top (schematic designator Y2)

## Footprints (in the part's own frame and the unit in brackets; to place one, negate y for a bottom-side part, rotate by r counter-clockwise, add the part's x,y. Pads: shape width x height; smd on the part's side, far side on the other; paste and mask are expansions set on the pad)
BOUR-MF-MSMF050-2_V [mm] "SMD, 2-Leads, Body 4.55x3.24mm"
  rect 1.5x3.2 smd: 1(-2.1,0) 2(2.1,0)
  body extent -2.28,-1.62 2.28,1.62, height 0.85
ButtonTACT_3x4x2_180 [mil]
  rect 40x74 smd: 1(-78,0) 2(78,0)
  body extent -79,-49 79,49, height 63
CAPC0805(2012)100_L [mm] "Chip Capacitor, Body 2.0x1.2mm, Height 1.0mm, IPC High Density"
  rect 0.95x1.35 smd: 1(-0.8,0) 2(0.8,0)
  silkscreen extent -0.05,-0.58 0.05,0.58, body extent -1.1,-0.72 1.1,0.72, height 1
CAPC0805(2012)100_N [mm] "Chip Capacitor, Body 2.0x1.2mm, Height 1.0mm, IPC Medium Density"
  rect 1.15x1.45 smd: 1(-0.9,0) 2(0.9,0)
  silkscreen extent -0.05,-0.62 0.05,0.63, body extent -1.1,-0.72 1.1,0.73, height 1
CAPC0805(2012)145_L [mm] "Chip Capacitor, Body 2.0x1.2mm, Height 1.45mm, IPC High Density"
  rect 0.95x1.35 smd: 1(-0.8,0) 2(0.8,0)
  silkscreen extent -0.05,-0.58 0.05,0.58, body extent -1.1,-0.72 1.1,0.72, height 1.45
COILCRAFT_XFL4020 [mm]
  rect 3.4x0.98 smd: 1(0,1.185) 2(0,-1.185)
  body extent -2.15,-2.15 2.15,2.15, height 2.01
DCK0006A_M [mm] "SOT23, 6-Leads, Body 2.15x1.4mm, Pitch 0.65mm, IPC Low Density"
  rect 1.05x0.45 smd: 1(-1.225,0.65) 2(-1.225,0) 3(-1.225,-0.65) 4(1.225,-0.65) 5(1.225,0) 6(1.225,0.65)
  silkscreen extent -1.35,-1.1 0.3,1.55, body extent -1.14,-1 1.14,1, height 0.94
DRC10-2400X1650TP [mm] "SON, 10-Leads, Body 3x3mm, Pitch 0.5mm, Thermal Pad 2.4x1.65mm, TI Recommended"
  oval 0.85x0.28 smd paste-0.025 mask+0.07: 1(-1.475,1) 2(-1.475,0.5) 3(-1.475,0) 4(-1.475,-0.5) 5(-1.475,-1) 6(1.475,-1) 7(1.475,-0.5) 8(1.475,0) 9(1.475,0.5) 10(1.475,1)
  rect 1.65x2.4 smd paste-0.825 mask+0.07: 11(0,0)
  Component Side region: -0.39,-1.9 -0.11,-1.9 -0.11,-1.2 -0.39,-1.2
  Component Side region: 0.39,-1.2 0.11,-1.2 0.11,-1.9 0.39,-1.9
  Component Side region: 0.39,1.9 0.11,1.9 0.11,1.2 0.39,1.2
  Component Side region: -0.39,1.2 -0.11,1.2 -0.11,1.9 -0.39,1.9
  silkscreen extent -2.15,-1.7 1.7,1.7, body extent -1.55,-1.55 1.55,1.55, height 1
HOLE_MTG_125 [mm]
  round 6.35 hole 3.175: 1(0,0)
HRS_DF13-2P-1.25DS(20) [mm]
  rrect50% 1x1 hole 0.5: 1(-0.623,1.8)
  round 1 hole 0.5: 2(0.627,1.8)
  silkscreen extent -2.16,-2.7 2.08,3.35, body extent -2.08,-2.7 2.08,2.7, height 3.61
HRS_DF13-4P-1.25DS(20) [mm]
  rrect50% 1x1 hole 0.5: 1(0,0)
  round 1 hole 0.5: 2(1.25,0) 3(2.5,0) 4(3.75,0)
  silkscreen extent -1.45,-4.5 5.2,1.55, body extent -1.45,-4.5 5.2,0.9, height 3.61
J_MOLEX_50259833 [mm] "Molex 0.3mm pitch FPC/FFC, 33 connections"
  rect 0.2x0.67 smd: 1(-4.8,-2.965) 3(-4.2,-2.965) 5(-3.6,-2.965) 7(-3,-2.965) 9(-2.4,-2.965) 11(-1.8,-2.965) 13(-1.2,-2.965) 15(-0.6,-2.965) 17(0,-2.965) 19(0.6,-2.965) 21(1.2,-2.965) 23(1.8,-2.965) 25(2.4,-2.965) 27(3,-2.965) 29(3.6,-2.965) 31(4.2,-2.965) 33(4.8,-2.965)
  rect 0.2x0.5 smd: 2(-4.5,0.1) 4(-3.9,0.1) 6(-3.3,0.1) 8(-2.7,0.1) 10(-2.1,0.1) 12(-1.5,0.1) 14(-0.9,0.1) 16(-0.3,0.1) 18(0.3,0.1) 20(0.9,0.1) 22(1.5,0.1) 24(2.1,0.1) 26(2.7,0.1) 28(3.3,0.1) 30(3.9,0.1) 32(4.5,0.1)
  rect 0.35x1 smd: M1(-5.775,-2.7) M2(5.775,-2.7)
  silkscreen extent -6.1,-3.3 6.1,0.6, body extent -6.02,-3.2 5.98,0.6, height 1.16
JMPR2-2MM [mm] "2 PIN JUMPER 2MM PITCH"
  rect 1.2x1.2 hole 0.8: 1(0,0)
  round 1.2 hole 0.8: 2(0,2)
  silkscreen extent -1,-1 1,3, body extent -1,-1.01 1,3, height 7.62
KMR2 [mm]
  rrect25% 0.9x1 smd: 1(-2.05,0.8) 2(2.05,0.8) 3(-2.05,-0.8) 4(2.05,-0.8)
  silkscreen extent -3.12,-1.4 2.05,1.4, body extent -2.05,-1.4 2.05,1.4, height 1.9
LEDC0402(1005)_N-GRN [mm]
  rrect25% 0.66x0.62 smd: A(-0.44,0) K(0.44,0)
  silkscreen extent 1,-0.35 1,0.35, body extent -0.5,-0.25 0.51,0.25, height 0.45
LEDC0402(1005)_N-RED [mm]
  rrect25% 0.66x0.62 smd: A(-0.44,0) K(0.44,0)
  silkscreen extent 1,-0.35 1,0.35, body extent -0.5,-0.25 0.51,0.25, height 0.45
MURA-BLM41-B35-CHIP-2_V2 [mm] "Chip Ferrite Bead, 2-Leads, Body 4.5x1.6mm, Height 1.8mm, 35/70um Land Pad Thickness, 3.5A Rated Current"
  rect 1.75x1.2 smd: 1(-2.375,0) 2(2.375,0)
  body extent -2.25,-0.8 2.25,0.8, height 1.8
ONSC-SC70-6-419B-02_W_V [mm] "SOT23, 6-Leads, Body 2x1.25mm, Pitch 0.65mm"
  rect 0.5x0.4 smd: 1(-0.95,0.65) 2(-0.95,0) 3(-0.95,-0.65) 4(0.95,-0.65) 5(0.95,0) 6(0.95,0.65)
  silkscreen extent -1.07,-1 0.3,1.52, body extent -0.63,-1 0.63,1, height 1.1
ONSC-SOT-23-3-318-08_V [mm] "SOT23, 3-Leads, Body 2.92x1.3mm, Pitch 0.95mm"
  rect 0.9x0.8 smd: 1(-1,0.95) 2(-1,-0.95) 3(1,0)
  silkscreen extent -1.13,-1.46 0.65,2.02, body extent -0.65,-1.46 0.65,1.46, height 1.11
ONSC-WDFN-10-511BM-01_V [mm] "SON, 10-Leads, Body 2.5x2mm, Pitch 0.5mm"
  rect 1.07x0.45 smd: 1(-0.615,1.075)
  rect 1.07x0.3 smd: 2(-0.615,0.5) 3(-0.615,0) 4(-0.615,-0.5) 5(-0.615,-1) 6(0.615,-1) 7(0.615,-0.5) 8(0.615,0) 9(0.615,0.5) 10(0.615,1)
  Component Side region: -1.15,-0.15 1.15,-0.15 1.15,0.15 -1.15,0.15
  silkscreen extent -1.82,0.95 -1.58,1.2, body extent -1,-1.25 1,1.25, height 0.8
OSC_DFN165P250X90-4N [mm]
  rrect25% 1.1x1 smd: 1(-0.95,-0.75) 2(0.95,-0.75) 3(0.95,0.75) 4(-0.95,0.75)
  silkscreen extent -1.35,-1.55 1.25,1, body extent -1.25,-1 1.25,1, height 0.82
POWERSSO-36 [mm] "PowerSSO 36 Pin Package, exposed pad"
  rect 1x0.37 smd: 1(-4.9,4.25) 2(-4.9,3.75) 3(-4.9,3.25) 4(-4.9,2.75) 5(-4.9,2.25) 6(-4.9,1.75) 7(-4.9,1.25) 8(-4.9,0.75) 9(-4.9,0.25) 10(-4.9,-0.25) 11(-4.9,-0.75) 12(-4.9,-1.25) 13(-4.9,-1.75) 14(-4.9,-2.25) 15(-4.9,-2.75) 16(-4.9,-3.25) 17(-4.9,-3.75) 18(-4.9,-4.25) 19(4.95,-4.25) 20(4.95,-3.75) 21(4.95,-3.25) 22(4.95,-2.75) 23(4.95,-2.25) 24(4.95,-1.75) 25(4.95,-1.25) 26(4.95,-0.75) 27(4.95,-0.25) 28(4.95,0.25) 29(4.95,0.75) 30(4.95,1.25) 31(4.95,1.75) 32(4.95,2.25) 33(4.95,2.75) 34(4.95,3.25) 35(4.95,3.75) 36(4.95,4.25)
  rrect10% 4.75x7.15 smd: EP(0,0)
  silkscreen extent -6.15,-5.21 5.21,5.21, body extent -5.17,-5.15 5.17,5.15, height 2.33
Q410 [mil]
  rect 15x30 smd: 1(-629.92,516.54) 2(-603.92,516.54) 3(-577.92,516.54) 4(-551.92,516.54) 5(-525.92,516.54) 6(-499.92,516.54) 7(-473.92,516.54) 8(-447.92,516.54) 9(-421.92,516.54) 10(-395.92,516.54) 11(-369.92,516.54) 12(-343.92,516.54) 13(-317.92,516.54) 14(-291.92,516.54) 15(-265.92,516.54) 16(-239.92,516.54) 17(-213.92,516.54) 18(-187.92,516.54) 19(-161.92,516.54) 20(-135.92,516.54) 21(-109.92,516.54) 22(-83.92,516.54) 23(-57.92,516.54) 24(-31.92,516.54) 25(-5.92,516.54) 26(20.08,516.54) 27(46.08,516.54) 28(72.08,516.54) 29(98.08,516.54) 30(124.08,516.54) 31(150.08,516.54) 32(176.08,516.54) 33(202.08,516.54) 34(228.08,516.54) 35(254.08,516.54) 36(280.08,516.54) 37(306.08,516.54) 38(332.08,516.54) 39(358.08,516.54) 40(384.08,516.54) 41(410.08,516.54) 42(436.08,516.54) 43(462.08,516.54) 72(642.8,-511.81) 73(616.81,-511.81) 74(590.83,-511.81) 75(564.84,-511.81) 76(538.86,-511.81) 77(512.87,-511.81) 78(486.89,-511.81) 79(460.91,-511.81) 80(434.92,-511.81) 81(408.94,-511.81) 82(382.95,-511.81) 83(356.97,-511.81) 84(330.98,-511.81) 85(305,-511.81) 86(279.02,-511.81) 87(253.03,-511.81) 88(227.05,-511.81) 89(201.06,-511.81) 90(175.08,-511.81) 91(149.09,-511.81) 92(123.11,-511.81) 93(97.13,-511.81) 94(71.14,-511.81) 95(45.16,-511.81) 96(19.17,-511.81) 97(-6.81,-511.81) 98(-32.8,-511.81) 99(-58.78,-511.81) 100(-84.76,-511.81) 101(-110.75,-511.81) 102(-136.73,-511.81) 103(-162.72,-511.81) 104(-188.7,-511.81) 105(-214.69,-511.81) 106(-240.67,-511.81) 107(-266.65,-511.81) 108(-292.64,-511.81) 109(-318.62,-511.81) 110(-344.61,-511.81) 111(-370.59,-511.81) 112(-396.57,-511.81) 113(-422.56,-511.81) 114(-448.54,-511.81) 115(-474.53,-511.81) 116(-500.51,-511.81) 117(-526.5,-511.81) 118(-552.48,-511.81) 119(-578.46,-511.81) 120(-604.45,-511.81) 121(-630.43,-511.81)
  rect 30x15 smd: 44(698.7,262.99) 45(698.7,237.01) 46(698.7,211.02) 47(698.7,185.04) 48(698.7,159.06) 49(698.7,133.07) 50(698.7,107.09) 51(698.7,81.1) 52(698.7,55.12) 53(698.7,29.13) 54(698.7,3.15) 55(698.7,-22.83) 56(698.7,-48.82) 57(698.7,-74.8) 58(698.7,-100.79) 59(698.7,-126.77) 60(698.7,-152.76) 61(698.7,-178.74) 62(698.7,-204.72) 63(698.7,-230.71) 64(698.7,-256.69) 65(698.7,-282.68) 66(698.7,-308.66) 67(698.7,-334.65) 68(698.7,-360.63) 69(698.7,-386.61) 70(698.7,-412.6) 71(698.7,-438.58) 122(-688.98,-438.58) 123(-688.98,-412.6) 124(-688.98,-386.61) 125(-688.98,-360.63) 126(-688.98,-334.65) 127(-688.98,-308.66) 128(-688.98,-282.68) 129(-688.98,-256.69) 130(-688.98,-230.71) 131(-688.98,-204.72) 132(-688.98,-178.74) 133(-688.98,-152.76) 134(-688.98,-126.77) 135(-688.98,-100.79) 136(-688.98,-74.8) 137(-688.98,-48.82) 138(-688.98,-22.83) 139(-688.98,3.15) 140(-688.98,29.13) 141(-688.98,55.12) 142(-688.98,81.1) 143(-688.98,107.09) 144(-688.98,133.07) 145(-688.98,159.06) 146(-688.98,185.04) 147(-688.98,211.02) 148(-688.98,237.01) 149(-688.98,262.99) 150(-688.98,288.98) 151(-688.98,314.96) 152(-688.98,340.95) 153(-688.98,366.93) 154(-688.98,392.91) 155(-688.98,418.9) 156(-688.98,444.88)
  silkscreen extent -689,-512 699,522, body extent -691,-514 701,524, height 157
QFN36 [mil]
  rrect95% 36x12 smd: 1(-108.27,79) 2(-108.27,60) 3(-108.27,40) 4(-108.27,20) 5(-108.27,0) 6(-108.27,-19.68) 7(-108.27,-39.37) 8(-108.27,-59.06) 9(-108.27,-78.74) 19(109,-78.74) 20(109,-59.06) 21(109,-39.37) 22(109,-19.68) 23(109,0) 24(109,20) 25(109,40) 26(109,60) 27(109,79)
  rrect95% 12x36 smd: 10(-78.74,-108.27) 11(-59.06,-108.27) 12(-39.37,-108.27) 13(-19.68,-108.27) 14(0,-108.27) 15(20,-108.27) 16(40,-108.27) 17(60,-108.27) 18(79,-108.27) 28(79,109) 29(60,109) 30(40,109) 31(20,109) 32(0,109) 33(-19.68,109) 34(-39.37,109) 35(-59.06,109) 36(-78.74,109)
  rect 146x146 smd: PAD(0,0)
  silkscreen extent -128,109 -108,128, body extent -122,-122 122,122, height 35
RESC0805(2012)_L [mm] "Chip Resistor, Body 2.0x1.3mm, IPC High Density"
  rect 0.85x1.3 smd: 1(-0.85,0) 2(0.85,0)
  silkscreen extent -0.05,-0.55 0.05,0.55, body extent -1.1,-0.67 1.1,0.68, height 0.7
RESC0805(2012)_N [mm] "Chip Resistor, Body 2.0x1.3mm, IPC Medium Density"
  rect 1.05x1.4 smd: 1(-0.95,0) 2(0.95,0)
  silkscreen extent -0.05,-0.6 0.05,0.6, body extent -1.1,-0.67 1.1,0.68, height 0.7
SD_Card_TF [mil]
  rect 28x62 smd: 1(0,0) 2(43.31,0) 3(86.61,0) 4(129.92,0) 5(173.23,0) 6(216.54,0) 7(259.84,0) 8(303.15,0) 9(346.46,0)
  rect 48x86 smd: 6(-226,402) 6(400,402)
  rect 62x56 smd: 6(-186,20)
  round 30 hole 39.37 mask+0: 6(-31.5,413.39) 6(283.46,413.39)
  rect 48x56 smd: 6(402,28)
  silkscreen extent -190,45 360,571, body extent -235,-27 407,572, height 79
"SMD 0805_A" [mm] "Chip Inductor, 2-Leads, Body 2,0x1,2mm"
  rect 1.15x1 smd: 1(-1.175,0) 2(1.175,0)
  body extent -1,-0.6 1,0.6, height 0.89
SMTC-SQT-108-01-X-Q [mm] "Socket Strip Assembly, 4x8 Pins, Vertical, 2mm Pitch, Female"
  rect 1.5x1.5 hole 0.99: 1(0,0)
  round 1.5 hole 0.99: 2(0,-2) 3(0,-4) 4(0,-6) 5(2,0) 6(2,-2) 7(2,-4) 8(2,-6) 9(4,0) 10(4,-2) 11(4,-4) 12(4,-6) 13(6,0) 14(6,-2) 15(6,-4) 16(6,-6) 17(8,0) 18(8,-2) 20(8,-6) 21(10,0) 22(10,-2) 24(10,-6) 25(12,0) 26(12,-2) 28(12,-6) 29(14,0) 30(14,-2) 32(14,-6)
  round 1.5 / inner round 1.2 / far side round 1.5 hole 0.99: 19(8,-4) 23(10,-4) 27(12,-4) 31(14,-4)
  silkscreen extent -1.28,-7.15 15.27,1.15, body extent -1.15,-7 15.15,1, height 6.35
SO4SW [mil]
  rect 80x24 smd: 1(0,0)
  oval 80x24 smd: 2(0,-50) 3(320,-50) 4(320,0)
  silkscreen extent -50,-97 370,46, body extent 0,-97 320,46, height 100
SO14 [mil]
  rect 80x24 smd: 1(0,0)
  oval 80x24 smd: 2(0,-50) 3(0,-100) 4(0,-150) 5(0,-200) 6(0,-250) 7(0,-300) 8(220,-300) 9(220,-250) 10(220,-200) 11(220,-150) 12(220,-100) 13(220,-50) 14(220,0)
  silkscreen extent -50,-325 270,26, body extent -20,-325 240,25, height 61
SOD323 [mm]
  rect 1x1 smd: A(0,0) K(-2,0)
  silkscreen extent -2.69,-0.69 0.71,0.69, body extent -2.23,-0.65 0.18,0.65, height 0.74
SON50P300X300X100-11T175X250N [mm] "Small Outline No-Lead (SON with Tab), 0.50 mm pitch; 10 pin, 3.00 mm L X 3.00 mm W X 1.00 mm H body"
  rrect54% 0.26x0.79 smd: 1(-1,-1.47) 2(-0.5,-1.47) 3(0,-1.47) 4(0.5,-1.47) 5(1,-1.47) 6(1,1.47) 7(0.5,1.47) 8(0,1.47) 9(-0.5,1.47) 10(-1,1.47)
  rect 2.5x1.75 smd paste-2.5 mask+0: 11(0,0)
  silkscreen extent -1.55,-1.55 1.55,1.55, body extent -1.5,-1.5 1.5,1.5, height 0.95
SOT-23-OT5_M [mm] "SOT23, 5-Leads, Body 2.9x1.7mm, Pitch 0.95mm, Lead Span 2.8mm, IPC Low Density"
  rect 1.3x0.7 smd: 1(-1.2,0.95) 2(-1.2,0) 3(-1.2,-0.95) 4(1.2,-0.95) 5(1.2,0.95)
  silkscreen extent -1.32,-1.55 0.15,1.98, body extent -0.9,-1.55 0.9,1.55, height 1.45
SSOP24 [mil]
  rect 14x55 smd: 1(-140.75,-143.94) 2(-115.16,-143.94) 3(-89.57,-143.94) 4(-63.98,-143.94) 5(-38.39,-143.94) 6(-12.8,-143.94) 7(13,-143.94) 8(39,-143.94) 9(64,-143.94) 10(90,-143.94) 11(116,-143.94) 12(141,-143.94) 13(141,144) 14(116,144) 15(90,144) 16(64,144) 17(39,144) 18(13,144) 19(-12.8,144) 20(-38.39,144) 21(-63.98,144) 22(-89.57,144) 23(-115.16,144) 24(-140.75,144)
  silkscreen extent -167,-98 168,99
STM-LGA-24_V [mm] "LGA, 24-Leads, Body 4x4mm, Pitch 0.5mm"
  rect 0.45x0.3 smd mask+0.05: 1(-1.675,1.25) 2(-1.675,0.75) 3(-1.675,0.25) 4(-1.675,-0.25) 5(-1.675,-0.75) 6(-1.675,-1.25) 13(1.675,-1.25) 14(1.675,-0.75) 15(1.675,-0.25) 16(1.675,0.25) 17(1.675,0.75) 18(1.675,1.25)
  rect 0.3x0.45 smd mask+0.05: 7(-1.25,-1.675) 8(-0.75,-1.675) 9(-0.25,-1.675) 10(0.25,-1.675) 11(0.75,-1.675) 12(1.25,-1.675) 19(1.25,1.675) 20(0.75,1.675) 21(0.25,1.675) 22(-0.25,1.675) 23(-0.75,1.675) 24(-1.25,1.675)
  silkscreen extent -2.58,-2 2,2, body extent -2,-2 2,2, height 1.07
TESTPOINT_035HOLE [mil]
  round 70 hole 35: 1(0,0)
USB_MICRO_B_SMT [mm] "Micro B SMT footprint (based on USB-IF recommended pattern)"
  rect 1.825x0.7 smd mask+0.07: 0(-3,1.7) 0(3,1.7)
  rect 2x1.4 smd mask+0.07: 0(-2.9,3.03) 0(2.9,3.03)
  oval 1.3x1.6 hole 0.66 slot 1.2 at 90 deg mask+0.07: 0(-2.725,0) 0(2.725,0)
  rrect50% 1.3x3.15 smd mask+0.07: 0(-2.725,0.475) 0(2.725,0.475)
  oval 1x1.4 hole 0.66 slot 1.05 at 90 deg mask+0.07: 0(-2.425,3.03) 0(2.425,3.03)
  rect 1.425x2.5 smd mask+0.07: 0(-0.975,-0.25) 0(0.975,-0.25)
  rect 0.4x1.75 smd mask+0.07: 1(-1.3,2.825) 2(-0.65,2.825) 3(0,2.825) 4(0.65,2.825) 5(1.3,2.825)
  silkscreen extent -3.4,-1.7 3.3,-1.7, body extent -4.02,-2.75 4.02,3.28, height 2.85
VIAHOLE20 [mil]
  round 30 hole 20: 1(0,0)
  body extent -19,-19 19,19
VSON14 [mm]
  rrect54% 0.26x0.79 smd: 1(-1.5,-1.47) 2(-1,-1.47) 3(-0.5,-1.47) 4(0,-1.47) 5(0.5,-1.47) 6(1,-1.47) 7(1.5,-1.47) 8(1.5,1.47) 9(1,1.47) 10(0.5,1.47) 11(0,1.47) 12(-0.5,1.47) 13(-1,1.47) 14(-1.5,1.47)
  rect 3.5x1.75 smd paste-2.5 mask+0: 15(0,0)
  silkscreen extent -2.05,-1.55 2.05,1.55, body extent -1.5,-1.53 1.5,1.47, height 0.95